# Altium PCB PCB.PcbDoc (continued)
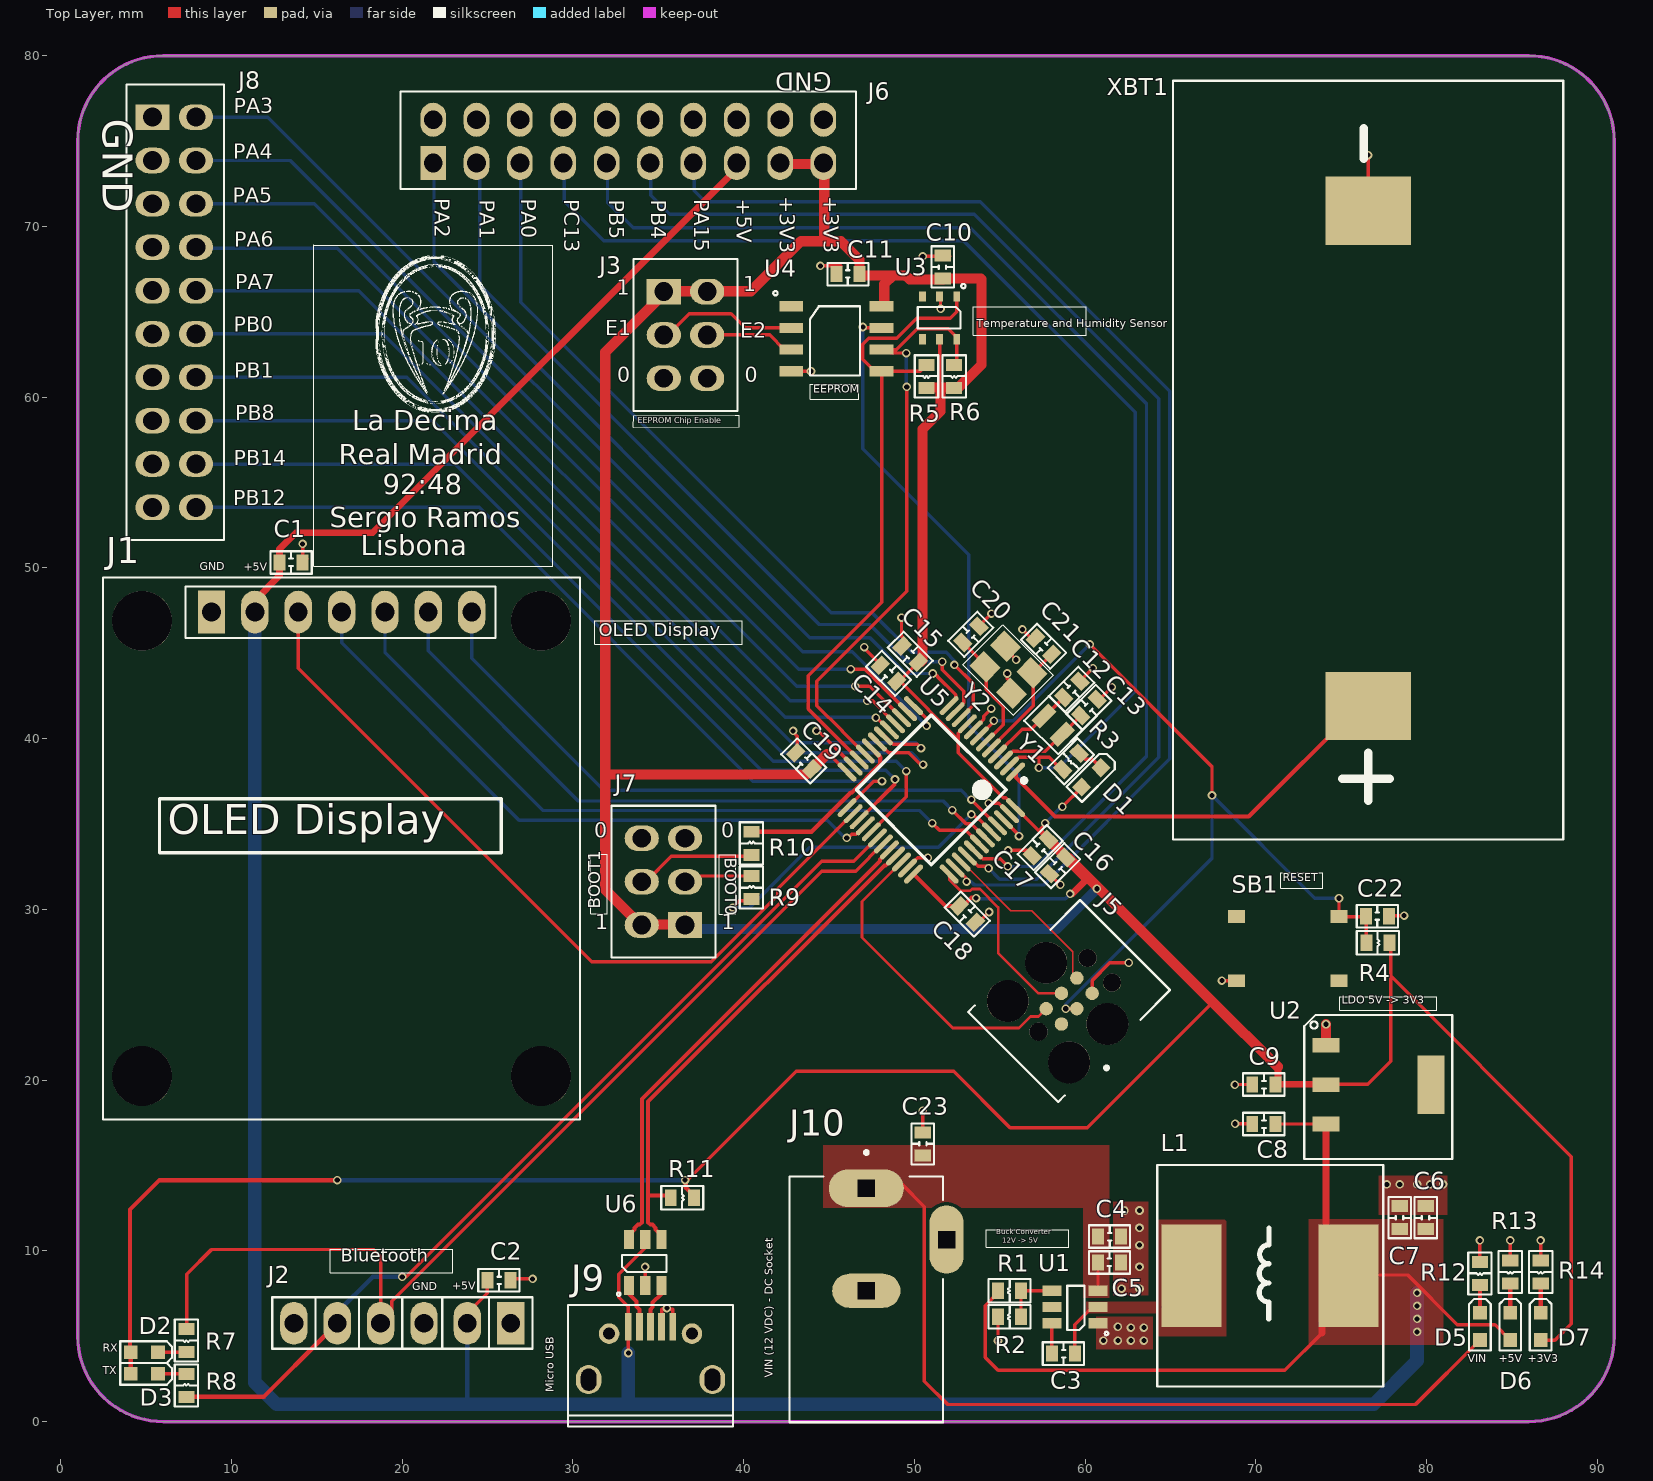
[diagram p0: Top Layer view]
## Part data (continued)
R4 R9 R10: library part "RES  0603 10KR ±1% 0.1W, 1/10W", "10 kOhms ±1% 0.1W, 1/10W Chip Resistor 0603 (1608 Metric) Moisture Resistant Thick Film", Case/Package=0603, Case Code (Metric)=1608, Manufacturer 2=Yageo, Manufacturer Part Number 2=RC0603FR-0710KL, Max Operating Temperature=155°C, Max Power Dissipation=100mW, Min Operating Temperature=-55°C, Resistance Tolerance=1%, Resistor Type="Thick Film", Supplier Part Number 1=311-10.0KHRCT-ND, Temperature Coefficient=100ppm/°C, Voltage Rating=75V, Voltage Rating (DC)=50V, Case Code (Imperial)=0603, ComponentLink1Description=https://datasheet.ciiva.com/7660/38590-7660789.pdf?src-supplier=Element14, ComponentLink1URL=https://datasheet.ciiva.com/7660/38590-7660789.pdf?src-supplier=Element14, Construction=Rectangular, Depth=0.8mm, Features="Moisture Resistant", Height=0.45mm, Lead Free=5697LeadFree, Lead Pitch=0.3mm, Length=1.6mm, Military Standard=Not, Number of Pins=2, Number of Terminations=2, Packaging="Tape and Reel", Power Rating=100mW, Pricing 1="1 = 0.1, 10 = 0.012, 50 = 0.0096, 100 = 0.0071, 500 = 0.00662, 1000 = 0.00612 (USD)", Reach SVHC Compliant=No, Resistance=10kR, RoHS=Yes, RoHS Compliant=Yes, Series=RC, Size Code=0603, Stock 1=5660971, Supplier 1=Digikey, Supplier 2=LCSC, Supplier Part Number 2=C98220, Termination=SMD/SMT, Tolerance=1%, Weight=7.1E-05oz, Width=0.8mm
R5 R6 R11: library part "RES  0603 4.7 kOhms ±1% 0.1W, 1/10W", "4.7 kOhms ±1% 0.1W, 1/10W Chip Resistor 0603 (1608 Metric) Moisture Resistant Thick Film", Case/Package=0603, Case Code (Metric)=1608, Manufacturer 2=Yageo, Manufacturer Part Number 2=RC0603FR-074K7L, Max Operating Temperature=155°C, Max Power Dissipation=100mW, Min Operating Temperature=-55°C, Resistance Tolerance=1%, Resistor Type="Thick Film", Supplier Part Number 1=311-4.70KHRCT-ND, Temperature Coefficient=100ppm/°C, Voltage Rating=50V, Case Code (Imperial)=0603, ComponentLink1Description=https://datasheet.ciiva.com/15189/getdatasheetpartid-422754-15189760.pdf?src-supplier=Verical, ComponentLink1URL=https://datasheet.ciiva.com/15189/getdatasheetpartid-422754-15189760.pdf?src-supplier=Verical, ComponentLink2Description=https://datasheet.ciiva.com/7660/38590-7660794.pdf?src-supplier=Element14, ComponentLink2URL=https://datasheet.ciiva.com/7660/38590-7660794.pdf?src-supplier=Element14, ComponentLink3Description=https://datasheet.ciiva.com/22747/443971-22747528.pdf?src-supplier=Element14, ComponentLink3URL=https://datasheet.ciiva.com/22747/443971-22747528.pdf?src-supplier=Element14, ComponentLink4Description=https://datasheet.ciiva.com/46440/1868787-46440909.pdf?src-supplier=Element14, ComponentLink4URL=https://datasheet.ciiva.com/46440/1868787-46440909.pdf?src-supplier=Element14, ComponentLink5Description=https://datasheet.ciiva.com/7746/1868787-7746365.pdf?src-supplier=Element14, ComponentLink5URL=https://datasheet.ciiva.com/7746/1868787-7746365.pdf?src-supplier=Element14, ComponentLink6Description=https://datasheet.ciiva.com/7746/1738695-7746366.pdf?src-supplier=Element14, ComponentLink6URL=https://datasheet.ciiva.com/7746/1738695-7746366.pdf?src-supplier=Element14, Construction=Rectangular, Depth=0.8mm, Features="Moisture Resistant", Lead Free=5697LeadFree, Lead Pitch=0.3mm, Length=1.6mm, Military Standard=Not, Number of Pins=2, Number of Terminations=2, Packaging="Tape and Reel", Power Rating=100mW, Pricing 1="1 = 0.1, 10 = 0.012, 50 = 0.0096, 100 = 0.0071, 500 = 0.00612, 1000 = 0.0051 (USD)", Reach SVHC Compliant=Unknown, Resistance=4.7kR, RoHS=Yes, RoHS Compliant=Yes, Series=RC, Size Code=0603, Stock 1=637732, Supplier 1=Digikey, Supplier 2=LCSC, Supplier Part Number 2=C99782, Termination=SMD/SMT, Tolerance=1%, Voltage Rating (DC)=50V, Width=0.8mm
SB1: "None Without 50mA 5.1mm 100000 Times 160gf 12V 5.1mm 1.5mm Round Button Standing paste SPST SMD Tactile Switches ROHS", Manufacturer 2="XKB Connection", Manufacturer Part Number 2=TS-1187A-B-A-B, Supplier 2=LCSC, Supplier Part Number 2=C318884
U1: "Buck Switching Regulator IC Positive Adjustable 0.596V 1 Output 2A SOT-23-6 Thin, TSOT-23-6", Case/Package=SOT-23-6, Manufacturer 2="Texas Instruments", Manufacturer Part Number 2=TPS54202DDCR, Max Input Voltage=28V, Max Operating Temperature=125°C, Min Input Voltage=4.5V, Min Operating Temperature=-40°C, Min Output Voltage=596mV, Nominal Supply Current=45uA, Output Current=2A, Quiescent Current=40uA, Supplier Part Number 1=296-TPS54202DDCRCT-ND, Switching Frequency=500kHz, ComponentLink1Description=http://www.ti.com/general/docs/suppproductinfo.tsp?distId=10&gotoUrl=http%3A%2F%2Fwww.ti.com%2Flit%2Fgpn%2Ftps54202&src-supplier=Digikey, ComponentLink1URL=http://www.ti.com/general/docs/suppproductinfo.tsp?distId=10&gotoUrl=http%3A%2F%2Fwww.ti.com%2Flit%2Fgpn%2Ftps54202&src-supplier=Digikey, ComponentLink2Description=http://www.ti.com/lit/ds/symlink/tps54202.pdf?src-supplier=Digikey, ComponentLink2URL=http://www.ti.com/lit/ds/symlink/tps54202.pdf?src-supplier=Digikey, ComponentLink3Description=http://www.ti.com/general/docs/suppproductinfo.tsp?distId=10&amp;gotoUrl=http%3A%2F%2Fwww.ti.com%2Flit%2Fgpn%2Ftps54202&src-supplier=Digikey, ComponentLink3URL=http://www.ti.com/general/docs/suppproductinfo.tsp?distId=10&amp;gotoUrl=http%3A%2F%2Fwww.ti.com%2Flit%2Fgpn%2Ftps54202&src-supplier=Digikey, Height=1.1mm, Lead Free="Lead Free", Length=2.9mm, Max Duty Cycle=100%, Max Output Voltage=28V, Max Supply Voltage=28V, Min Supply Voltage=4.5V, Mount="Surface Mount", Number of Channels=1, Number of Outputs=1, Number of Pins=6, Output Configuration=Positive, Output Type=Adjustable, Packaging="Tape and Reel", Pricing 1="1 = 1.01, 10 = 0.726, 25 = 0.6548, 100 = 0.5771, 250 = 0.53996, 500 = 0.51758, 1000 = 0.49917 (USD)", RoHS=Yes, RoHS Compliant=Yes, Series=Eco-Mode™, Stock 1=1445, Supplier 1=Digikey, Supplier 2=LCSC, Supplier Part Number 2=C191884, Synchronous Rectifier=Yes, Thickness=870um, Width=1.6mm
U2: "Linear Voltage Regulator IC Positive Fixed 1 Output 1A SOT-223-3L", Manufacturer 2="UMW(Youtai Semiconductor Co., Ltd.)", Supplier Part Number 1=4518-AMS1117-3.3CT-ND, Manufacturer Part Number 2=AMS1117-3.3, Pricing 1="1 = 0.68, 10 = 0.407, 25 = 0.3352, 100 = 0.2538, 250 = 0.2138, 500 = 0.18916, 1000 = 0.16853 (USD)", RoHS=No, Stock 1=4324, Supplier 1=Digikey, Supplier 2=LCSC, Supplier Part Number 2=C347222
U3: "Humidity, Temperature 0 ~ 100% RH I2C ±2% RH 15 s Surface Mount", Manufacturer 2="Texas Instruments", Manufacturer Part Number 2=HDC1080DMBR, Max Operating Temperature=125°C, Min Operating Temperature=-40°C, Supplier Part Number 1=296-46272-1-ND, Accuracy=2%, ComponentLink1Description=http://www.ti.com/lit/ds/symlink/hdc1080.pdf?src-supplier=Digikey, ComponentLink1URL=http://www.ti.com/lit/ds/symlink/hdc1080.pdf?src-supplier=Digikey, ComponentLink2Description=http://www.ti.com/general/docs/suppproductinfo.tsp?distId=10&amp;gotoUrl=http%3A%2F%2Fwww.ti.com%2Flit%2Fgpn%2Fhdc1080&src-supplier=Digikey, ComponentLink2URL=http://www.ti.com/general/docs/suppproductinfo.tsp?distId=10&amp;gotoUrl=http%3A%2F%2Fwww.ti.com%2Flit%2Fgpn%2Fhdc1080&src-supplier=Digikey, Interface=I2C, Lead Free="Lead Free", Mount="Surface Mount", Output Type=I2C, Packaging="Cut Tape", Pricing 1="1 = 3.47, 5 = 2.928, 10 = 2.721, 25 = 2.4688, 50 = 2.2942, 100 = 2.1319, 500 = 1.79838, 1000 = 1.67143 (USD)", Response Time=15s, RoHS=Yes, RoHS Compliant=Yes, Sensor Type=Temperature, Series=-, Stock 1=6270, Supplier 1=Digikey, Supplier 2=LCSC, Supplier Part Number 2=C82227
U4: "EEPROM Memory IC 1Mbit I2C 1 MHz 500 ns 8-SOIC", Case/Package=SOIC, Frequency=1MHz, Manufacturer 2=STMicroelectronics, Max Frequency=400kHz, Max Operating Temperature=85°C, Max Supply Voltage=5.5V, Min Operating Temperature=-40°C, Min Supply Voltage=1.8V, Operating Supply Voltage=5V, Package Quantity=2500, Supplier Part Number 1=497-6351-1-ND, Supply Current=2mA, Access Time=500ns, Access Time-Max=900ns, ComponentLink1Description=https://datasheet.ciiva.com/1905/cd00147128-1905279.pdf?src-supplier=Digikey, ComponentLink1URL=https://datasheet.ciiva.com/1905/cd00147128-1905279.pdf?src-supplier=Digikey, ComponentLink2Description=https://datasheet.ciiva.com/1905/cd00147128-1905280.pdf?src-supplier=Digikey, ComponentLink2URL=https://datasheet.ciiva.com/1905/cd00147128-1905280.pdf?src-supplier=Digikey, ComponentLink3Description=https://datasheet.ciiva.com/1905/cd00147128-1905281.pdf?src-supplier=Digikey, ComponentLink3URL=https://datasheet.ciiva.com/1905/cd00147128-1905281.pdf?src-supplier=Digikey, ComponentLink4Description=https://datasheet.ciiva.com/41455/001185587-da-01-en-ic-eeprom-1mbit-m24m01-rmn6tp-soic-8-stm-41455205.pdf?src-supplier=Conrad, ComponentLink4URL=https://datasheet.ciiva.com/41455/001185587-da-01-en-ic-eeprom-1mbit-m24m01-rmn6tp-soic-8-stm-41455205.pdf?src-supplier=Conrad, Density=1Mb, Height=1.25mm, Interface=I2C,Serial, Lead Free="Lead Free", Length=5mm, Manufacturer Part Number 2=M24M01-RMN6TP, Memory Size=1Mb, Memory Type=Non-Volatile,EEPROM, Mount="Surface Mount", Number of Pins=8, Organization=32KX8, Packaging="Tape and Reel", Pricing 1="1 = 1.41, 10 = 1.287, 25 = 1.252, 50 = 1.2456, 100 = 1.1134, 250 = 1.11012, 500 = 1.09336, 1000 = 1.04695 (USD)", Programming Voltage=5.5V, Radiation Hardening=No, RoHS=Yes, RoHS Compliant=Yes, Series=-, Stock 1=11953, Supplier 1=Digikey, Supplier 2=LCSC, Supplier Part Number 2=C79990, Supply Voltage-Nom=5.5V, Width=4mm, Write Cycle Time-Max (tWC)=5ms, Write Protection=YES
U5: "ARM® Cortex®-M3 STM32F1 Microcontroller IC 32-Bit Single-Core 72MHz 64KB (64K x 8) FLASH", Case/Package=LQFP, Manufacturer 2=STMicroelectronics, Max Frequency=72MHz, Max Operating Temperature=85°C, Max Supply Voltage=3.6V, Min Operating Temperature=-40°C, Min Supply Voltage=2V, Nominal Supply Current=1.7uA, Package Quantity=1500, Supplier Part Number 1=497-6063-ND, ComponentLink1Description=https://datasheet.ciiva.com/14100/pustm-arm-microcont-stm32f103-en-14100508.pdf?src-supplier=Distrelec, ComponentLink1URL=https://datasheet.ciiva.com/14100/pustm-arm-microcont-stm32f103-en-14100508.pdf?src-supplier=Distrelec, Core Architecture=ARM, Data Bus Width=32b, Height=1.4mm, Interface=I2C,SPI,USB,CAN,USART, Lead Free="Lead Free", Length=7mm, Manufacturer Part Number 2=STM32F103C8T6, Memory Size=64KB, Memory Type=FLASH, Number of A/D Converters=2, Number of ADC Channels=10, Number of Channels=10, Number of I/Os=37, Number of Pins=48, Number of Timers/Counters=3, Packaging=Tray, Pricing 1="1 = 6.11, 10 = 5.522, 25 = 5.2652, 80 = 4.57163, 250 = 4.36616, 500 = 3.9809, 1000 = 3.46724, 2500 = 3.33883 (USD)", RAM Size=20KB, RoHS=Yes, RoHS Compliant=Yes, Series=STM32F103C8, Stock 1=8973, Supplier 1=Digikey, Supplier 2=LCSC, Supplier Part Number 2=C8734, Weight=0.006349oz, Width=7mm
U6: "SOT-23-6 ESD and Surge Protection (TVS/ESD) ROHS", Manufacturer 2="TECH PUBLIC", Manufacturer Part Number 2=TPUSBLC6-2SC6, Supplier 2=LCSC, Supplier Part Number 2=C558442
XBT1: "Battery holder CR2032 SMD Button And Strip Battery Connector ROHS", Manufacturer 2=Q&J, Manufacturer Part Number 2=CR2032-BS-6-1, ComponentLink1Description=Link, ComponentLink1URL=https://www.lcsc.com/product-detail/Button-And-Strip-span-style-background-color-ff0-Battery-span-Connector_Q-J-CR2032-BS-6-1_C70377.html, Supplier 2=LCSC, Supplier Part Number 2=C70377
Y1: library part "Crystal 32.768kHz", "32.768kHz Surface Mount Crystal 7pF ±20ppm SMD2012-2P Crystals ROHS", Manufacturer 2="Seiko Epson", Manufacturer Part Number 2=X1A0000610006, Supplier 2=LCSC, Supplier Part Number 2=C99009
Y2: "8MHz Surface Mount Crystal 10pF ±10ppm ±15ppm SMD3225-4P Crystals ROHS", Manufacturer 2=Yajingxin, Manufacturer Part Number 2=TAXM8M4RDBCCT2T, Supplier 2=LCSC, Supplier Part Number 2=C400090

## Via types
v1: diameter 0.5, hole 0.3, Top Layer to Bottom Layer, tented both sides, 100 vias

## Nets (pads, with @x,y where several pads share a name; then routed paths per layer and width w, separated by ;. In a path a pad name is that pad's centre, name@x,y a point inside that pad or via, vN(x,y) a via of type N, cw(c..) or ccw(c..) an arc to the next point about the centre after c; other vN are vias at no path point)
+3V3: C9.2 C10.2 C11.1 C14.2 C15.2 C16.2 C17.2 C18.2 C19.2 D1.2 D2.2 D3.2 D7.2 J3.1 J3.2 J6.9 J6.10 J7.1 J7.2 R4.2 R5.2 R6.2 R11.2 U2.2 U3.5 U4.8 U5.9 U5.24 U5.36 U5.48 | length 318.9
  Top Layer w0.2: v1@36.728,14.165 43.078,20.515 52.305,20.515 55.607,17.213 60.141,17.213 67.482,24.554 ; 44.882,39.096 45.015,39.096 U5.24 ; C14.2 C14.2@49.12,43.35 ; C15.2 C14.2@49.12,43.35 ; 51.486,60.571 51.486,61.417 51.49,61.422 51.49,62.37 51.486,62.374 U3.5 ; U5.9 53.104,40.844 52.573,40.314 52.573,39.923 ; v1@57.698,35.012 57.387,34.7 58.01,34.076 C17.2@57.877,34.076 ; C17.2 C17.2@57.877,34.076 ; v1(58.674,36.013) 59.8,37.139 D1.2 ; C16.2 C16.2@58.874,33.079 ; U2.2@74.266,19.753 76.552,19.753 77.902,21.103 77.902,26.103 ; R4.2 77.902,27.967 77.902,26.103 ; D7.2 87.526,4.773 88.49,5.737 88.49,15.515 77.902,26.103 ; C14.2@49.12,43.35 49.175,43.35 50.814,41.712 50.814,41.682 52.573,39.923 ; 52.573,39.923 52.573,39.917 52.573,39.172 55.209,36.536 55.353,36.536 U5.48 57.813,34.076 C17.2@57.877,34.076
  Top Layer w0.254: D2.2@4.064,4.064 4.064,12.416 5.788,14.14 v1(16.202,14.14) ; D3.2 D2.2 ; v1(36.576,14.14) 36.623,14.093 36.623,13.692 37.084,13.231 R11.2 ; J7.1@36.649,29.727 J7.1@36.681,29.759 ; 44.552,69.266 44.679,69.139 ; U5.36 51.824,30.201 C18.2 52.867,30.201 53.353,30.687 53.572,30.687 53.601,30.658 v1(53.619,30.658)
  Top Layer w0.4: v1@59.28,30.929 60.13,31.779 ; 71.298,20.788 71.298,19.767 71.312,19.753 U2.2@74.266,19.753
  Top Layer w0.6: J7.1@36.728,29.108 33.938,29.108 31.902,31.144 31.902,37.897 ; J6.9@42.189,73.66 44.729,73.66 44.729,69.139 ; 44.882,39.096 43.682,37.897 31.902,37.897 ; C11.1 46.787,68.051 45.699,69.139 44.729,69.139 ; C11.1@46.939,67.121 48.732,67.121 ; U4.8@48.243,65.354 48.243,66.632 48.732,67.121 ; C15.2@50.39,44.494 50.479,44.582 50.479,58.124 51.537,59.182 51.537,60.571 ; R5.2@50.742,60.571 51.486,60.571 ; 51.677,60.571 52.611,60.571 53.937,61.898 53.937,66.92 53.907,66.95 51.714,66.95 51.664,66.9 49.729,66.9 49.508,67.121 48.732,67.121 ; C17.2@57.877,34.076 C16.2@58.874,33.079 ; C16.2 60.13,31.779 58.99,33.045 67.482,24.554 71.298,20.788 ; 31.902,37.897 31.902,62.632 35.481,66.21 40.429,66.21 43.358,69.139 44.679,69.139 44.729,69.139
  Bottom Layer w0.2: v1@53.619,30.632 58.856,30.632 v1(59.128,30.904) ; v1(57.658,35.052) 58.619,36.013 v1(58.674,36.013)
  Bottom Layer w0.254: v1(16.202,14.14) v1(36.576,14.14)
  Bottom Layer w0.6: J7.1 36.805,28.854 58.345,28.854 v1(60.7,31.209)
+5V: C1.2 C2.1 C6.2 C7.2 C8.2 D6.2 J1.2 J2.2 J6.8 J9.1 L1.2 R1.2 U2.3 U6.5 | length 230.4
  Top Layer w0.2: J2.2 23.822,6.334 24.994,7.505 C2.1 ; v1(33.25,4.016) J9.1 33.25,6.726 33.185,6.791 32.686,7.29 32.686,8.638 34.236,10.188 U6.5 ; R1.2@54.902,7.533 54.152,6.783 54.152,3.751 54.903,3 71.704,3 73.89,5.186 ; C8.2@71.16,17.428 U2.3 ; L1.2 75.473,8.585 78.892,8.585 81.811,5.666 84.016,5.666 D6.2
  Top Layer w0.4: J1.2 11.376,48.091 12.827,49.542 C1.2 12.827,51.105 13.782,52.06 18.278,52.06 39.649,73.431 J6.8@39.649,73.66 ; R1.2@54.902,7.533 R1.2 ; C8.2@71.146,17.442 C8.2@71.16,17.428 ; 73.89,5.186 73.89,5.752 75.44,7.302 L1.2 74.114,9.878 U2.3
  Bottom Layer w0.254: 23.822,1.016 J2.2
  Bottom Layer w0.8: J1.2 11.376,2.286 12.656,1.006 23.822,1.006 31.239,1.006 31.249,1.016 33.02,1.016 ; v1(33.25,4.016) 33.25,1.246 33.02,1.016 ; v1(79.448,7.531) v1(79.448,6.774) v1(79.448,6.012) v1(79.448,5.25) 79.448,3.556 76.908,1.016 38.499,1.016 38.489,1.006 37.371,1.006 37.361,1.016 33.02,1.016
BOOT0: R9.1 U5.44 | length 19.2
  Top Layer w0.2: v1(39.37,30.108) 39.759,30.497 40.356,30.497 R9.1 ; v1(53.34,35.56) 53.421,35.56 53.714,35.268 53.793,35.268 U5.44
  Bottom Layer w0.2: v1@39.294,30.108 40.352,30.108 43.883,33.639 51.419,33.639 v1(53.34,35.56)
BOOT1: R10.2 U5.20 | length 10.4
  Top Layer w0.254: R10.2@40.411,34.54 43.976,34.54 46.277,36.841 46.353,36.841 48.012,38.499 48.012,38.915 47.482,39.445 U5.20
CLK: J1.3 U5.26 | length 46.7
  Top Layer w0.2: J1.3 13.916,44.123 31.115,26.924 38.097,26.924 42.006,30.832 42.006,31.212 46.397,35.603 U5.26
Crystal1: C21.2 U5.5 Y2.3 | length 7
  Top Layer w0.2: U5.5 56.974,41.913 56.974,43.787 Y2.3 56.973,43.858 C21.2
Crystal2: C20.2 U5.6 Y2.1 | length 7.3
  Top Layer w0.2: C20.2 54.146,44.32 Y2.1 54.216,44.141 54.216,42.878 54.482,42.613 54.482,42.602 55.211,41.874 55.211,40.819 54.889,40.496 54.877,40.496 54.191,39.811 U5.6
CS: J1.7 U5.45 | length 37.6
  Top Layer w0.2: v1@53.337,36.424 53.333,36.428 v1(53.34,36.428) U5.45
  Bottom Layer w0.2: J1.7 24.076,44.707 31.817,36.966 52.745,36.966 53.283,36.428 v1(53.34,36.428)
DC: J1.6 U5.43 | length 39.4
  Top Layer w0.2: v1(52.225,35.814) 53.029,35.01 53.344,35.01 U5.43
  Bottom Layer w0.2: J1.6 21.536,45.139 30.328,36.347 51.692,36.347 v1(52.225,35.814)
E1: J3.3 U4.2 | length 8.3
  Top Layer w0.2: J3.3 35.578,63.645 36.831,64.897 39.267,64.897 40.105,64.059 U4.2
E2: J3.4 U4.3 | length 5.3
  Top Layer w0.2: J3.4 41.535,63.645 42.39,62.789 U4.3
GND: C1.1 C2.2 C4.2 C5.1 C6.1 C7.1 C8.1 C9.1 C10.1 C11.2 C12.1 C13.1 C14.1 C15.1 C16.1 C17.1 C18.1 C19.1 C20.1 C21.1 C22.1 C23.2 J1.1 J2.3 J3.5 J3.6 J5.5 J6.11 J6.12 J6.13 J6.14 J6.15 J6.16 J6.17 J6.18 J6.19 J6.20 J7.5 J7.6 J8.1 J8.2 J8.3 J8.4 J8.5 J8.6 J8.7 J8.8 J8.9 J8.10 J9.4 J9.5 J9.SH J10.2 J10.3 R2.2 R12.1 R13.1 R14.1 SB1.2 U1.1 U2.1 U3.2 U4.4 U5.8 U5.23 U5.35 U5.47 U6.2 XBT1.1 Y2.2 Y2.4 | length 52
  Top Layer w0.2: C1.1@14.123,50.317 C1.1 14.406,50.546 14.173,50.778 v1(14.173,51.41) ; C2.2@26.367,8.357 v1(27.639,8.357) ; U6.2 v1(34.236,9.06) ; J9.4 35.2,6.59 35.449,6.59 v1(35.506,6.647) 35.563,6.59 35.85,6.59 J9.5 ; U4.4@42.867,61.595 U4.4 v1(43.949,61.519) ; v1(42.901,40.453) 42.901,40.371 43.141,40.131 43.141,39.26 C19.1 C19.1@42.92,39.172 ; v1(44.272,40.453) 44.365,40.453 U5.23 U5.23@46.421,38.415 ; v1(44.501,67.691) 45.691,67.691 ; v1(47.066,45.364) 47.066,45.29 48.033,44.324 C14.1 ; v1(49.251,47.092) 49.251,45.986 49.372,45.865 49.372,45.511 C15.1 ; U5.35 50.202,33.02 v1(50.8,33.02) ; C23.2 v1(50.492,18.204) ; v1(50.495,68.25) C10.1@52.07,68.25 ; U3.2 51.537,65.848 v1(51.537,65.176) ; U5.8@53.456,40.544 54.06,41.148 54.06,41.309 v1(54.508,41.758) ; C18.1 53.782,29.246 v1(54.381,29.845) ; C20.1@53.592,46.931 C20.1@53.699,46.931 ; C20.1 v1(54.518,47.324) v1@54.518,47.328 ; v1(54.356,36.213) 54.942,36.213 55.551,35.603 U5.47 ; v1(54.902,4.742) R2.2 ; Y2.4 55.348,45.231 v1(55.959,44.62) ; v1(55.448,43.815) 55.448,43.51 55.701,43.257 Y2.2 ; v1(55.499,33.452) 56.592,33.452 C17.1 ; v1(56.334,46.398) 56.842,45.89 C21.1 ; C16.1 v1(58.554,31.445) ; C12.1 v1(60.464,44.127) ; J5.5 60.416,25.833 61.459,26.876 v1(62.56,26.876) ; C13.1 60.851,42.304 v1(61.566,43.02) ; v1(68.018,25.824) SB1.2 ; v1(68.78,19.728) 68.794,19.742 C9.1 ; v1(68.794,17.442) C8.1@69.796,17.442 ; U2.1 74.086,22 74.014,22.072 U2.1@74.114,22.172 ; XBT1.1 v1(76.581,74.175) ; C22.1@77.75,29.574 77.81,29.634 v1(78.686,29.634) ; R12.1 v1(83.131,10.615) ; R13.1@84.909,9.345 R13.1 v1(84.909,10.615) ; R14.1@86.687,9.345 R14.1 v1(86.687,10.615)
  Top Layer w0.6: U2.1@74.114,22.172 v1(74.114,23.27)
  other v1: 61.08,4.742 61.922,4.742 62.684,4.742 63.446,4.742 62.684,5.504 63.446,5.504 61.922,5.556 62.145,7.79 63.192,7.79 63.192,9.06 63.192,10.33 63.192,11.346 62.303,12.362 63.192,12.362 77.67,13.886 78.432,13.886 79.448,13.886 80.21,13.886 80.972,13.886
MOSI: J1.4 U5.28 | length 37.6
  Top Layer w0.2: v1@46.103,34.247 v1(46.046,34.189) 46.127,34.189 46.331,34.393 46.598,34.393 47.102,34.896 U5.28
  Bottom Layer w0.2: J1.4 16.456,45.622 26.848,35.23 44.895,35.23 45.935,34.189 v1(46.046,34.189)
NetC3_1: C3.1 U1.6 | length 1.8
  Top Layer w0.2: C3.1 U1.6
NetC3_2: C3.2 L1.1 U1.2 | length 6
  Top Layer w0.2: C3.2 59.41,5.682 60.236,6.508 60.56,6.508 U1.2
  Top Layer w0.254: L1.1@64.617,6.708 66.24,8.331 L1.1
NetD1_1: D1.1 R3.1 | length 1.6
  Top Layer w0.2: R3.1 60.009,38.79 60.436,38.79 D1.1
NetD2_1: D2.1 R7.2 | length 1.7
  Top Layer w0.2: D2.1 R7.2 ; R7.2@7.546,3.92 R7.2@7.566,3.9
NetD3_1: D3.1 R8.2 | length 1.9
  Top Layer w0.2: D3.1@5.448,2.794 D3.1 R8.2
NetD5_1: D5.1 R12.2 | length 1.6
  Top Layer w0.254: D5.1 R12.2
NetD6_1: D6.1 R13.2 | length 1.7
  Top Layer w0.254: D6.1 R13.2
NetD7_1: D7.1 R14.2 | length 1.7
  Top Layer w0.254: D7.1 R14.2
NetJ7_3: J7.3 R9.2 | length 4
  Top Layer w0.2: J7.3 36.906,31.953 R9.2
NetJ7_4: J7.4 R10.1 | length 7
  Top Layer w0.2: J7.4 34.286,31.623 35.776,33.113 40.33,33.113 R10.1@40.411,33.194
NetR1_1: R1.1 R2.1 U1.4 | length 3.3
  Top Layer w0.2: R2.1 R1.1 U1.4
OSC32_IN: C13.2 U5.3 Y1.2 | length 5.6
  Top Layer w0.2: U5.3 55.252,38.75 55.755,39.253 57.66,39.253 Y1.2 C13.2
OSC32_OUT: C12.2 U5.4 Y1.1 | length 5.2
  Top Layer w0.2: U5.4 56.324,40.556 56.842,40.556 Y1.1 57.655,41.318 C12.2
PA0: J6.3 U5.10 | length 46.3
  Top Layer w0.2: v1(52.349,44.323) 53.442,43.23 53.442,41.944 52.75,41.252 U5.10
  Bottom Layer w0.2: J6.3@26.949,73.66 26.949,65.557 45.136,47.371 47.523,47.371 49.844,45.051 51.866,45.051 52.349,44.567 v1(52.349,44.323)
PA1: J6.2 U5.11 | length 47.2
  Top Layer w0.2: v1(51.638,44.501) 51.638,44.044 52.9,42.782 52.9,42.109 52.397,41.606 U5.11
  Bottom Layer w0.2: J6.2@24.409,73.66 24.536,73.533 24.536,66.573 44.425,46.685 47.396,46.685 49.581,44.501 v1(51.638,44.501) v1@51.532,44.607
PA2: J6.1 U5.12 | length 47.6
  Top Layer w0.2: v1(51.079,43.815) 51.206,43.815 51.359,43.663 51.359,43.635 52.436,42.558 52.436,42.325 U5.12
  Bottom Layer w0.2: J6.1@21.869,73.66 21.869,67.92 43.875,45.914 47.405,45.914 49.505,43.815 v1(51.079,43.815)
PA3: J8.20 U5.13 | length 59.1
  Top Layer w0.2: U5.13 50.717,41.172 v1(50.717,40.742)
  Bottom Layer w0.2: J8.20 12.141,76.403 43.459,45.085 46.374,45.085 v1(50.717,40.742)
PA4: J8.19 U5.14 | length 55.1
  Top Layer w0.2: v1(46.279,44.069) 47.113,44.069 U5.14
  Bottom Layer w0.2: J8.19 13.437,73.863 43.231,44.069 v1(46.279,44.069)
PA5: J8.18 U5.15 | length 53.8
  Top Layer w0.2: v1(46.533,43.078) 47.396,43.078 U5.15
  Bottom Layer w0.2: J8.18 14.859,71.323 43.104,43.078 v1(46.533,43.078)
PA6: J8.17 U5.16 | length 52.3
  Top Layer w0.2: v1(47.244,42.208) 47.56,42.208 U5.16
  Bottom Layer w0.2: J8.17@8.153,68.732 16.199,68.732 42.724,42.208 v1(47.244,42.208)
PA7: J8.16 U5.17 | length 51.2
  Top Layer w0.2: v1(47.752,41.225) 47.809,41.225 48.516,40.518 U5.17
  Bottom Layer w0.2: J8.16 17.45,66.243 42.43,41.263 v1@47.714,41.263
PA8: J8.13 U5.29 | length 54.3
  Top Layer w0.2: U5.29 49.53,36.591 v1(49.53,38.1)
  Bottom Layer w0.2: J8.13@8.128,58.623 21.793,58.623 41.732,38.684 48.946,38.684 v1(49.53,38.1)
PA15: J6.7 U5.38 | length 72
  Top Layer w0.2: U5.38 52.424,32.421 53.061,31.784 v1(53.061,31.623)
  Bottom Layer w0.2: J6.7@37.109,73.66 37.109,72.085 37.744,71.45 53.873,71.45 64.973,60.35 64.973,38.811 57.587,31.425 53.526,31.425 53.329,31.623 v1(53.061,31.623)
PB0: J8.15 U5.18 | length 55
  Top Layer w0.2: U5.18 48.26,40.164 48.763,39.661 50.179,39.661 v1(50.394,39.446)
  Bottom Layer w0.2: J8.15 18.872,63.703 42.816,39.759 50.08,39.759 v1(50.394,39.446)
PB1: J8.14 U5.19 | length 55.2
  Top Layer w0.2: U5.19 47.863,39.811 48.507,39.167 49.682,39.167 50.368,38.481 v1(50.521,38.481)
  Bottom Layer w0.2: J8.14 20.269,61.163 42.266,39.167 49.835,39.167 v1(50.521,38.481)
PB4: J6.6 U5.40 | length 72.2
  Top Layer w0.2: U5.40 53.131,33.129 53.735,32.525 54.242,32.525 v1(54.356,32.41)
  Bottom Layer w0.2: J6.6@34.569,73.66 34.569,71.831 35.687,70.714 53.518,70.714 64.313,59.919 64.313,38.913 57.175,31.775 54.991,31.775 v1(54.356,32.41)
PB5: J6.5 U5.41 | length 72.6
  Top Layer w0.2: U5.41 53.484,33.482 54.006,32.96 55.03,32.96 v1(55.477,32.513)
  Bottom Layer w0.2: J6.5@32.029,73.66 32.029,71.425 33.528,69.926 53.289,69.926 63.602,59.614 63.602,38.964 57.151,32.513 v1(55.477,32.513)
PB12: J8.11 U5.25 | length 49.5
  Top Layer w0.2: U5.25 47.627,37.516 v1(48.108,37.516)
  Bottom Layer w0.2: J8.11 24.515,53.543 40.542,37.516 v1(48.108,37.516)
PB14: J8.12 U5.27 | length 52.1
  Top Layer w0.2: U5.27 48.87,37.344 v1(48.87,37.617)
  Bottom Layer w0.2: J8.12@7.925,55.88 J8.12@8.128,56.083 ; J8.12 J8.12@8.128,56.083 ; v1(48.87,37.617) 48.336,38.151 41.046,38.151 23.114,56.083 J8.12@8.128,56.083
PC13: J6.4 R3.2 U5.2 | length 68.8
  Top Layer w0.1: U5.2@55.574,38.397 U5.2 ; R3.2@58.62,38.194 R3.2
  Top Layer w0.2: U5.2 55.606,38.397 56.109,38.9 57.302,38.9 ; v1(57.302,38.295) 57.302,38.9 ; R3.2@58.62,38.194 57.914,38.9 57.302,38.9
  Bottom Layer w0.2: J6.4@29.489,73.66 29.489,71.476 31.801,69.164 52.883,69.164 62.941,59.106 62.941,42.774 58.463,38.295 v1(57.302,38.295)
RESET: C22.2 J5.3 R4.1 SB1.3 U5.7 | length 51.3
  Top Layer w0.1: U5.7 U5.7@53.83,40.164
  Top Layer w0.2: U5.7@53.83,40.164 54.661,40.995 v1(54.661,41.046) ; v1(58.874,24.182) J5.3 ; v1(60.274,45.517) 67.437,38.354 v1(67.437,36.678) ; v1(74.876,30.65) SB1.3 76.367,29.574 76.476,29.465 R4.1
  Bottom Layer w0.2: v1(54.661,41.046) 55.804,41.046 v1(60.274,45.517) ; v1(58.874,24.182) 58.874,24.432 67.437,32.995 v1(67.437,36.678) 73.465,30.65 v1(74.876,30.65)
RST: J1.5 U5.42 | length 41.8
  Top Layer w0.2: v1(51.054,35.052) 51.478,34.628 53.018,34.628 53.784,33.863 U5.42@53.784,33.836
  Bottom Layer w0.2: J1.5 18.996,45.063 28.27,35.789 50.317,35.789 v1(51.054,35.052)
SCL-2: R6.1 U3.6 U4.6 U5.21 | length 34.7
  Top Layer w0.2: U5.21@47.121,39.096 45.78,40.438 45.78,40.453 44.298,41.935 44.298,43.374 49.555,48.631 v1(49.555,60.604) ; U4.6 U4.6@48.49,62.789 ; v1(49.53,62.586) 48.694,62.586 U4.6@48.49,62.789 ; R6.1 52.486,62.048 U3.6 52.486,63.498 51.986,63.998 50.162,63.998 48.952,62.789 U4.6@48.49,62.789
  Bottom Layer w0.2: v1(49.53,62.586) 49.53,60.63 v1(49.555,60.604)
SDA-2: R5.1 U3.1 U4.5 U5.22 | length 38
  Top Layer w0.2: U5.22 43.79,41.735 43.79,43.688 48.09,47.988 U4.5 ; R5.1 50.338,61.519 U4.5 ; U3.1 52.486,65.757 52.486,65.008 52.104,64.626 50.148,64.626 48.981,63.459 47.336,63.459 46.99,63.113 46.99,62.219 47.69,61.519 U4.5
SWCLK: J5.4 U5.37 | length 11.3
  Top Layer w0.16: U5.37 52.043,31.743 52.693,31.093 53.28,31.093 53.375,31.188 53.839,31.188 54.911,30.115 54.911,27.444 57.276,25.08 J5.4
SWDIO: J5.2 U5.34 | length 18.8
  Top Layer w0.16: U5.34 46.936,30.461 46.936,28.364 52.254,23.046 56.134,23.046 56.817,23.728 57.268,23.728 J5.2
SWO: J5.6 U5.39 | length 10.3
  Top Layer w0.1: U5.39 52.804,32.775 55.654,29.925 56.873,29.925 59.277,27.52 59.277,26.219 J5.6
USART1_RX: J2.4 R7.1 U5.31 | length 60.4
  Top Layer w0.2: R7.1@7.366,5.668 7.381,5.683 7.381,8.621 8.836,10.076 18.314,10.076 18.742,9.648 J2.4@18.742,5.829 ; J2.4 J2.4@18.742,5.829 ; U5.31 48.162,33.836 46.559,32.233 44.577,32.233 19.389,7.044 19.389,6.476 J2.4@18.742,5.829
USART1_TX: J2.5 R8.1 U5.30 | length 54.3
  Top Layer w0.2: v1(20.012,8.472) 20.232,8.472 44.573,32.813 46.459,32.813 U5.30
  Top Layer w0.254: R8.1@7.546,1.444 11.888,1.444 15.494,5.05 15.58,5.05 16.202,5.672 J2.5
  Bottom Layer w0.254: J2.5 16.202,6.397 18.277,8.472 v1(20.012,8.472)
USB_N: U5.32 U6.6 | length 29.2
  Top Layer w0.232: U6.6 33.286,10.914 33.62,11.248 33.62,11.345 33.805,11.53 33.921,11.53 34.056,11.666 34.056,18.896 47.992,32.831 47.992,32.913 48.543,33.464 U5.32
USB_P: R11.1 U5.33 U6.4 | length 30.3
  Top Layer w0.232: U6.4 35.186,10.914 34.852,11.248 34.852,11.345 34.667,11.53 34.551,11.53 34.416,11.666 34.416,13.233 ; R11.1 35.607,13.233 34.416,13.233 ; U5.33 48.878,33.129 48.327,32.577 48.246,32.577 34.416,18.747 34.416,13.233
USB_Up_N: J9.2 U6.1 | length 2.7
  Top Layer w0.232: U6.1 33.204,7.882 33.204,7.552 33.728,7.028 33.728,6.738 33.9,6.566 33.9,6.206 J9.2
USB_UP_P: J9.3 U6.3 | length 2.7
  Top Layer w0.232: J9.3 34.55,6.566 34.678,6.694 34.678,6.962 35.186,7.47 U6.3
VBAT: U5.1 XBT1.2 | length 24.6
  Top Layer w0.254: U5.1@55.954,38.021 55.954,37.721 58.24,35.436 69.588,35.436 76.069,41.917 XBT1.2
VIN: C4.1 C5.2 C23.1 D5.2 J10.1 U1.3 | length 48.4
  Top Layer w0.2: J10.1@49.283,13.886 50.59,12.579 50.59,2.358 51.948,1 79.358,1 D5.2 ; U1.3 C5.2
W\C\: U4.7 U5.46 | length 36.1
  Top Layer w0.2: v1(46.99,64.11) 47.041,64.059 U4.7 ; U5.46 56.134,34.341 v1(56.134,34.29)
  Bottom Layer w0.2: v1(46.99,64.11) 46.99,56.972 53.188,50.775 53.188,40.792 56.134,37.846 v1(56.134,34.29)
pads on no net: J1.8 J2.1 J2.6 J5. J5.1 SB1.1 SB1.4 U1.5 U2.4 U3.3 U3.4 U4.1

## Polygon pours and split planes (outlines as drawn)
VIN on Top Layer "Top Layer-VIN" (solid, pour order 50): 44.653,12.514 44.653,16.172 61.414,16.172 61.414,7.257 59.89,7.257 59.89,12.514
no net on Top Layer "Top Layer-No Net 2" (solid, pour order 42): 91.64,1.44
GND on Top Layer "Top Layer-GND" (solid, pour order 32): 63.7,7.409 61.668,7.409 61.668,12.87 63.7,12.87
GND on Top Layer "Top Layer-GND 1" (solid, pour order 26): 77.193,14.394 81.226,14.394 81.226,12.108 77.193,12.108
+5V on Top Layer "Top Layer-+5V" (solid, pour order 24): 80.972,11.854 80.972,4.488 73.098,4.488 73.098,11.854
NetC3_2 on Top Layer "Top Layer-NetC3_2" (solid, pour order 22): 60.083,7.028 60.083,6.342 64.208,6.342 64.208,4.996 68.272,4.996 68.272,11.829 64.208,11.829 64.208,7.028
no net on Top Layer "Top Layer-No Net 1" (solid, pour order 18): 60.083,7.028
GND on Top Layer "Top Layer-No Net" (solid, pour order 4): 60.652,6.134 63.954,6.134 63.954,4.234 60.652,4.234
GND on Layer 1 (split plane): 86.294,79.482 86.586,79.453 86.876,79.406 87.163,79.339 87.444,79.253 87.719,79.15 87.987,79.029 88.246,78.89 88.496,78.735 88.734,78.564 88.962,78.377 89.176,78.176 89.377,77.962 89.564,77.734 89.735,77.496 89.89,77.246 90.029,76.987 90.15,76.719 90.253,76.444 90.339,76.163 90.406,75.876 90.453,75.586 90.482,75.294 90.491,75.018 90.49,75 90.49,37 90.49,5 90.491,4.982 90.482,4.706 90.453,4.414 90.406,4.124 90.339,3.837 90.253,3.556 90.15,3.281 90.029,3.013 89.89,2.754 89.735,2.504 89.564,2.266 89.377,2.038 89.176,1.824 88.962,1.623 88.734,1.436 88.496,1.265 88.246,1.11 87.987,0.971 87.719,0.85 87.444,0.747 87.163,0.661 86.876,0.594 86.586,0.547 86.294,0.518 86.018,0.509 86,0.51 6,0.51 5.982,0.509 5.706,0.518 5.414,0.547 5.124,0.594 4.837,0.661 4.556,0.747 4.281,0.85 4.013,0.971 3.754,1.11 3.504,1.265 3.266,1.436 3.038,1.623 2.824,1.824 2.623,2.038 2.436,2.266 2.265,2.504 2.11,2.754 1.971,3.013 1.85,3.281 1.747,3.556 1.661,3.837 1.594,4.124 1.547,4.414 1.518,4.706 1.509,4.982 1.51,5 1.51,75 1.509,75.018 1.518,75.294 1.547,75.586 1.594,75.876 1.661,76.163 1.747,76.444 1.85,76.719 1.971,76.987 2.11,77.246 2.265,77.496 2.436,77.734 2.623,77.962 2.824,78.176 3.038,78.377 3.266,78.564 3.504,78.735 3.754,78.89 4.013,79.029 4.281,79.15 4.556,79.253 4.837,79.339 5.124,79.406 5.414,79.453 5.706,79.482 5.982,79.491 6,79.49 86,79.49 86.018,79.491
GND on Layer 2 (split plane): 86.294,79.482 86.586,79.453 86.876,79.406 87.163,79.339 87.444,79.253 87.719,79.15 87.987,79.029 88.246,78.89 88.496,78.735 88.734,78.564 88.962,78.377 89.176,78.176 89.377,77.962 89.564,77.734 89.735,77.496 89.89,77.246 90.029,76.987 90.15,76.719 90.253,76.444 90.339,76.163 90.406,75.876 90.453,75.586 90.482,75.294 90.491,75.018 90.49,75 90.49,37 90.49,5 90.491,4.982 90.482,4.706 90.453,4.414 90.406,4.124 90.339,3.837 90.253,3.556 90.15,3.281 90.029,3.013 89.89,2.754 89.735,2.504 89.564,2.266 89.377,2.038 89.176,1.824 88.962,1.623 88.734,1.436 88.496,1.265 88.246,1.11 87.987,0.971 87.719,0.85 87.444,0.747 87.163,0.661 86.876,0.594 86.586,0.547 86.294,0.518 86.018,0.509 86,0.51 6,0.51 5.982,0.509 5.706,0.518 5.414,0.547 5.124,0.594 4.837,0.661 4.556,0.747 4.281,0.85 4.013,0.971 3.754,1.11 3.504,1.265 3.266,1.436 3.038,1.623 2.824,1.824 2.623,2.038 2.436,2.266 2.265,2.504 2.11,2.754 1.971,3.013 1.85,3.281 1.747,3.556 1.661,3.837 1.594,4.124 1.547,4.414 1.518,4.706 1.509,4.982 1.51,5 1.51,75 1.509,75.018 1.518,75.294 1.547,75.586 1.594,75.876 1.661,76.163 1.747,76.444 1.85,76.719 1.971,76.987 2.11,77.246 2.265,77.496 2.436,77.734 2.623,77.962 2.824,78.176 3.038,78.377 3.266,78.564 3.504,78.735 3.754,78.89 4.013,79.029 4.281,79.15 4.556,79.253 4.837,79.339 5.124,79.406 5.414,79.453 5.706,79.482 5.982,79.491 6,79.49 86,79.49 86.018,79.491

## Keep-outs
Keep-Out Layer:
  lines w0.2: 1,5 ccw(c6,5) 6,0 86,0 ccw(c86,5) 91,5 ; 1,5 1,75 cw(c6,75) 6,80 ; 1,5 1,5 ; 6,80 86,80 cw(c86,75) 91,75 ; 6,80 6,80 ; 91,5 91,5 ; 91,5 91,37 ; 91,37 91,37 ; 91,37 91,75 ; 91,75 91,75

## Silkscreen, mask and mechanical layers (free items; w line width, h text height)
Top Overlay:
  drawing of 980 lines, arcs and shapes, not listed
  text "GND" at 45.161,79.35 h1.8 r180
  text "PA3" at 10.135,76.327 h1.5
  text "GND" at 1.88,76.302 h3 r270
  text "PA4" at 10.109,73.66 h1.5
  text "+3V3" at 41.834,71.78 h1.5 r270
  text "+3V3" at 44.399,71.78 h1.5 r270
  text "PA2" at 21.615,71.653 h1.5 r270
  text "PA0" at 26.695,71.628 h1.5 r270
  text "+5V" at 39.319,71.628 h1.5 r270
  text "PC13" at 29.21,71.603 h1.5 r270
  text "PA15" at 36.83,71.603 h1.5 r270
  text "PB4" at 34.29,71.577 h1.5 r270
  text "PA1" at 24.254,71.552 h1.5 r270
  text "PB5" at 31.826,71.552 h1.5 r270
  text "PA5" at 10.084,71.095 h1.5
  text "PA6" at 10.16,68.529 h1.5
  text "PA7" at 10.236,66.04 h1.5
  text "1" at 39.98,65.913 h1.5
  text "1" at 32.563,65.71 h1.5
  text "Temperature and Humidity Sensor" at 53.645,63.906 h0.8
  text "PB0" at 10.135,63.551 h1.5
  text "E1" at 31.902,63.322 h1.5
  text "E2" at 39.802,63.195 h1.5
  text "PB1" at 10.16,60.858 h1.5
  text "0" at 32.588,60.579 h1.5
  text "0" at 40.081,60.579 h1.5
  text "EEPROM" at 44.094,60.096 h0.8
  text "PB8" at 10.236,58.369 h1.5
  text "EEPROM Chip Enable" at 33.807,58.369 h0.6
  text "La Decima" at 17.069,57.683 h2
  text "PB14" at 10.135,55.728 h1.5
  text "Real Madrid" at 16.281,55.702 h2
  text "92:48" at 18.853,53.924 h2
  text "PB12" at 10.109,53.365 h1.5
  text "Sergio Ramos" at 15.748,51.994 h2
  text "Lisbona" at 17.584,50.368 h2
  text "GND" at 8.153,49.682 h0.8
  text "+5V" at 10.719,49.657 h0.8
  text "OLED Display" at 31.521,45.745 h1.3
  text "0" at 31.267,33.909 h1.5
  text "0" at 38.684,33.909 h1.5
  text "OLED Display" at 6.274,33.807 h3
  text "BOOT0" at 38.659,33.02 h1.2 r270.45
  text "RESET" at 71.577,31.471 h0.8
  text "BOOT1" at 31.852,30.023 h1.2 r90
  text "1" at 31.318,28.55 h1.5
  text "1" at 38.735,28.55 h1.5
  text "LDO 5V -> 3V3" at 75.032,24.282 h0.8
  text "Buck Converter  /    12V -> 5V" at 54.813,10.355 h0.5
  text "Bluetooth" at 16.408,9.093 h1.3
  text "+5V" at 22.936,7.531 h0.8
  text "GND" at 20.599,7.518 h0.8
  text "RX" at 2.464,3.912 h0.8
  text "VIN" at 82.423,3.308 h0.8
  text "+5V" at 84.226,3.308 h0.8
  text "+3V3" at 85.928,3.308 h0.8
  text "TX" at 2.464,2.591 h0.8
  text "VIN (12 VDC) - DC Socket" at 41.885,2.565 h0.8 r90
  text "Micro USB" at 29.058,1.702 h0.8 r90
Mechanical 1:
  the board outline again, w0.1